# Altium PCB roach2.PcbDoc (part 14 of 39) (continued)
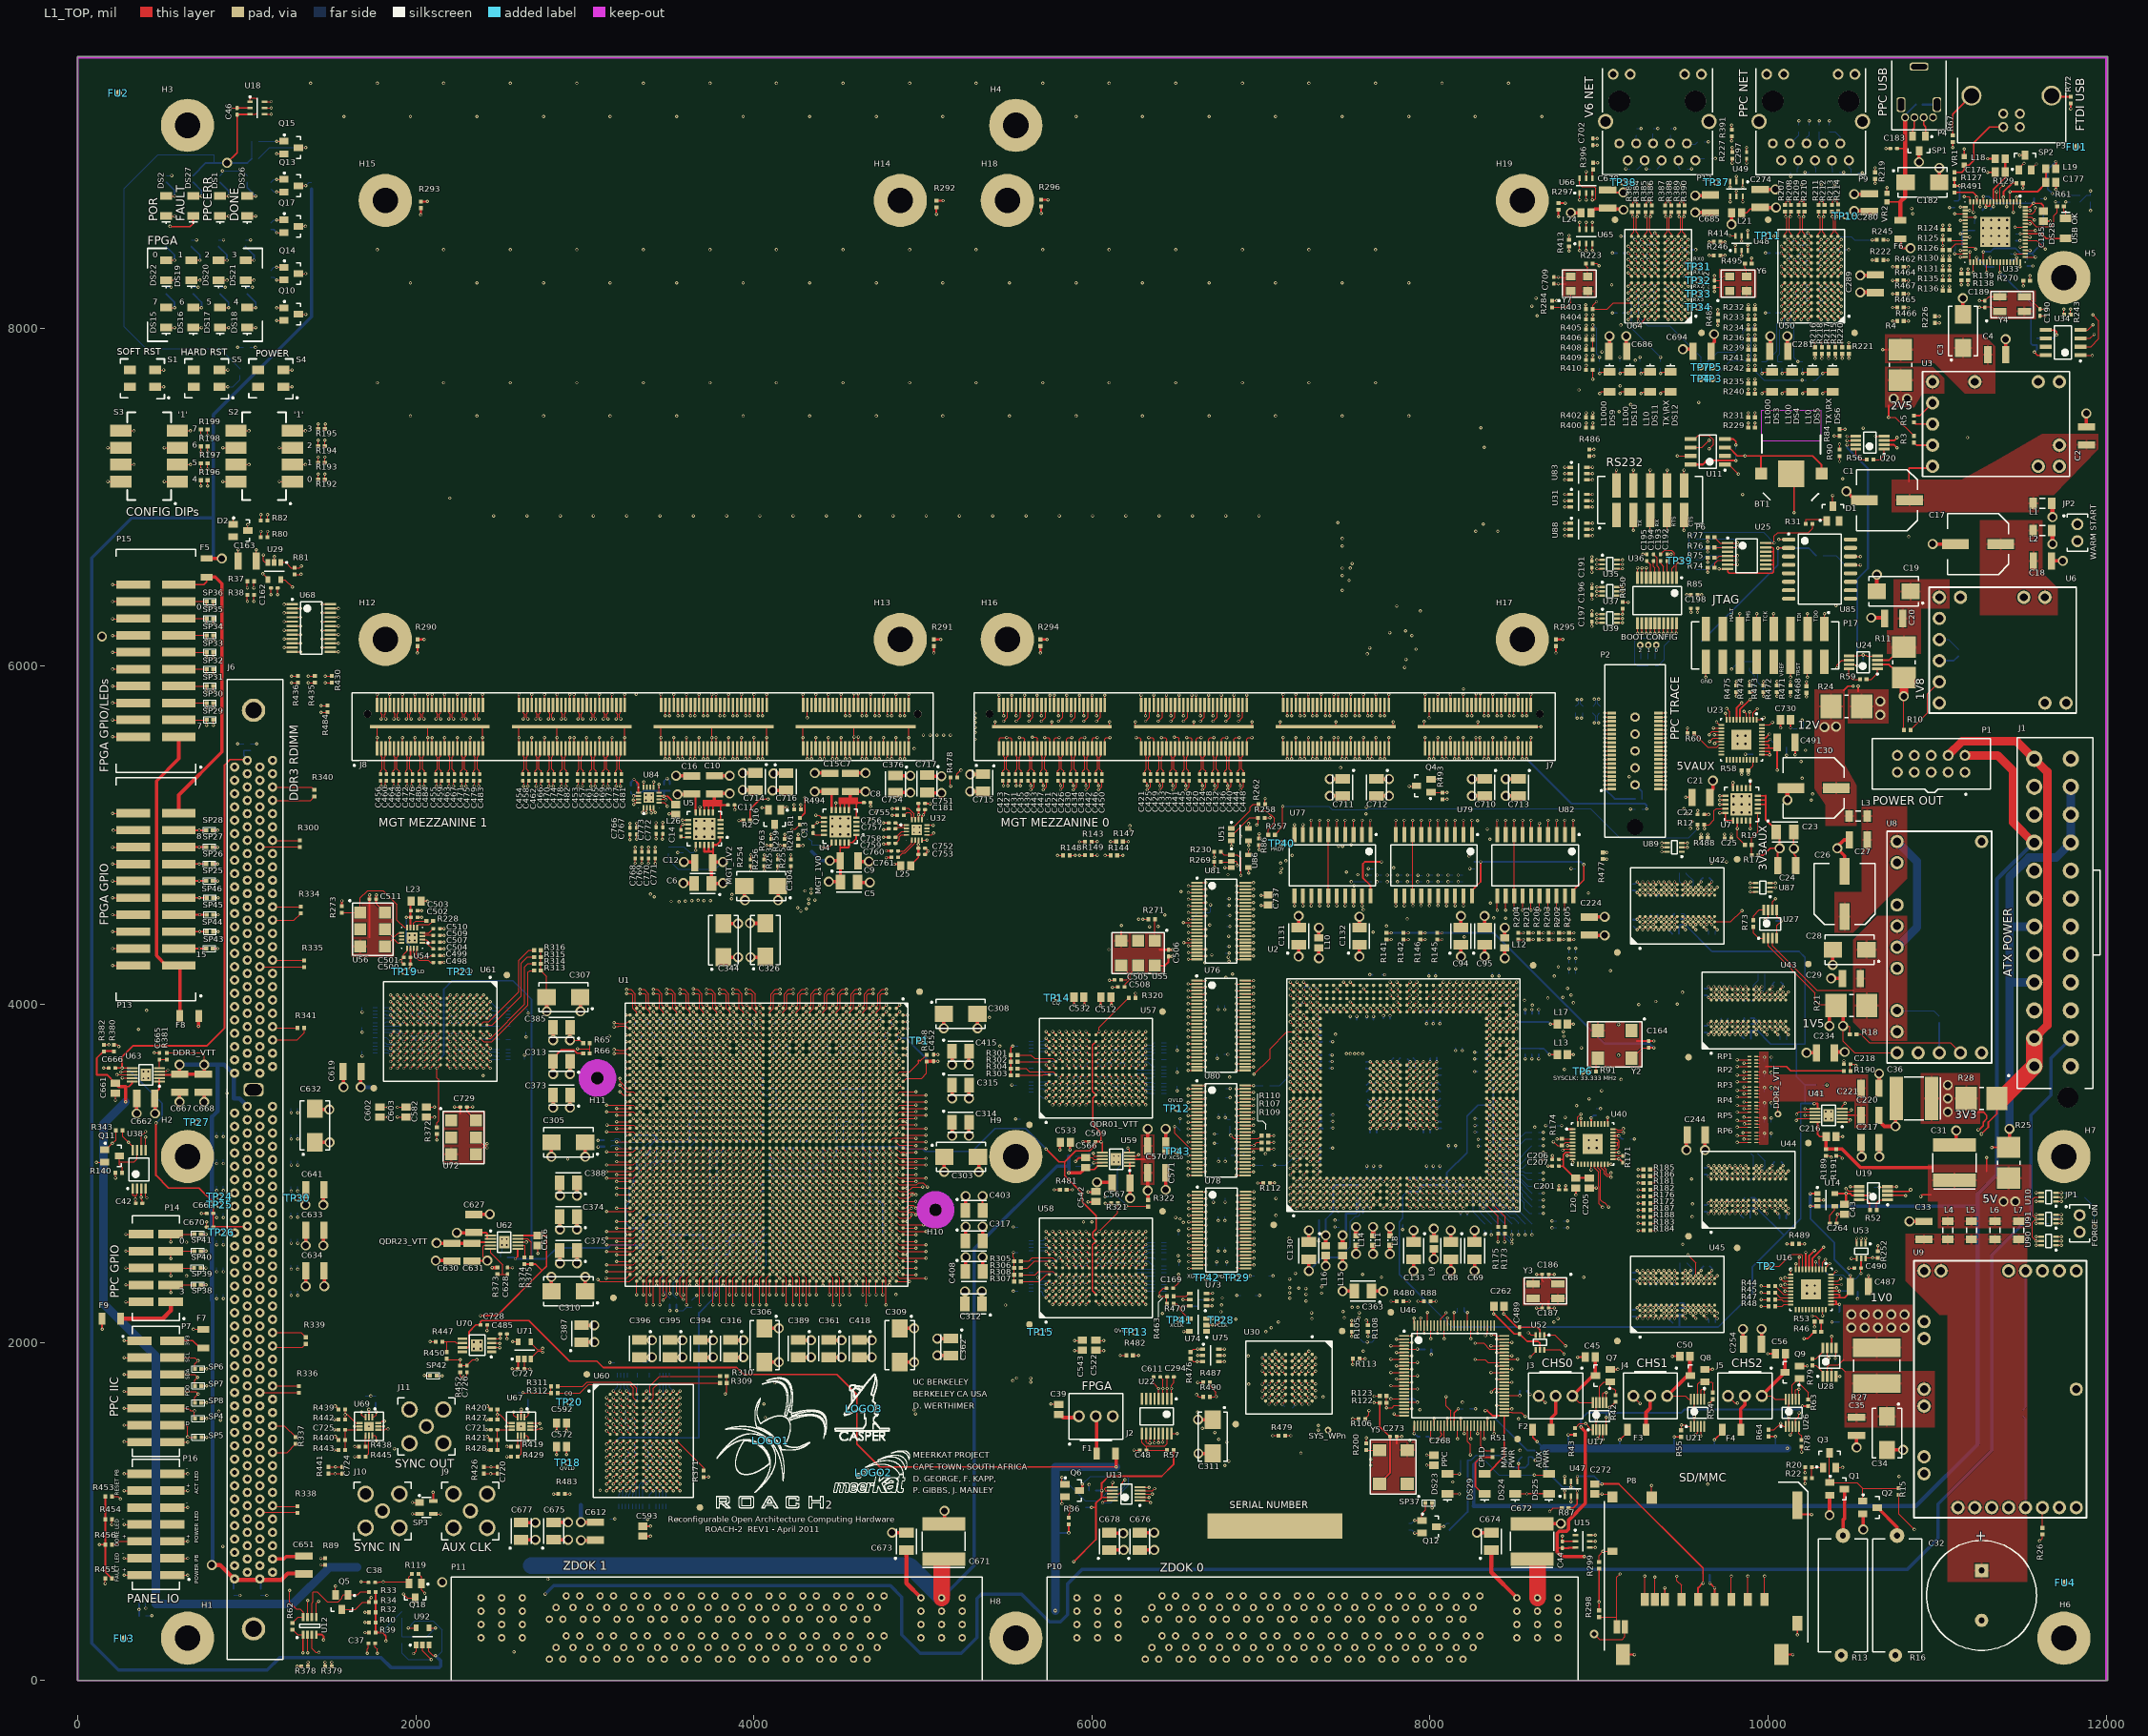
[diagram p0: L1_TOP view]
## Nets (pads, with @x,y where several pads share a name; then routed paths per layer and width w, separated by ;. In a path a pad name is that pad's centre, name@x,y a point inside that pad or via, vN(x,y) a via of type N, cw(c..) or ccw(c..) an arc to the next point about the centre after c; other vN are vias at no path point) (continued)
DDR3.DQ56: J6.108 U1.AY42 | length 3900
  L1_TOP w5: v2(3345.56,2281.93) U1.AY42@3345.56,2360.67
  L9_R w3.8: J6.108@928.19,1072.91 1010.94,1072.91 1036.45,1098.42 1036.45,1157.63 1063.94,1185.11 1083.11,1185.11 1128.99,1230.99 1236.99,1230.99 1314.99,1308.99 1354.99,1308.99 ; v2(3345.56,2281.93) 3308.99,2245.36 3308.99,2158.99 3290.99,2140.99 3167.76,2140.99 3087.09,2060.32 3031.58,2060.32 2865.79,1894.54 2865.79,1804.99 2719.79,1658.99 2656.79,1658.99 2649.29,1666.49 2521.86,1666.49 2414.16,1558.8 2412.18,1558.8 2403.04,1549.66 2403.04,1547.68 2328.68,1473.31 2266.68,1473.31 2212.99,1526.99 2138.99,1526.99 2106.99,1558.99 2012.99,1558.99 1948.99,1494.99 1880.99,1494.99 1852.99,1466.99 1690.99,1466.99 1655.22,1431.22 1651.86,1427.86 ccw(c1654.02,1425.7) 1651.86,1423.54 cw(c1646.34,1418.02) 1651.86,1412.5 cw(c1646.34,1418.02) 1640.82,1412.5 1638.66,1414.66 1614.52,1438.81 ccw(c1609,1433.29) 1603.48,1438.81 ccw(c1609,1433.29) 1603.48,1427.77 1622.1,1409.14 cw(c1616.58,1403.62) 1622.1,1398.1 1579.5,1355.5 1532.99,1308.99 1433.39,1308.99 ; 1354.99,1308.99 ccw(c1354.99,1313.89) 1359.89,1313.89 ; 1354.99,1308.99 ccw(c1354.99,1313.89) 1359.89,1313.89 ; 1359.89,1313.89 1359.89,1342.17 ; 1359.89,1342.17 cw(c1364.79,1342.17) 1364.79,1347.07 ; 1359.89,1342.17 cw(c1364.79,1342.17) 1364.79,1347.07 ; 1364.79,1347.07 cw(c1364.79,1342.17) 1369.69,1342.17 ; 1364.79,1347.07 cw(c1364.79,1342.17) 1369.69,1342.17 ; 1369.69,1275.82 ccw(c1374.59,1275.82) 1374.59,1270.92 ; 1369.69,1275.82 ccw(c1374.59,1275.82) 1374.59,1270.92 ; 1369.69,1275.82 1369.69,1342.17 ; 1374.59,1270.92 ccw(c1374.59,1275.82) 1379.49,1275.82 1379.49,1342.17 ; 1379.49,1342.17 cw(c1384.39,1342.17) 1384.39,1347.07 ; 1379.49,1342.17 cw(c1384.39,1342.17) 1384.39,1347.07 ; 1384.39,1347.07 cw(c1384.39,1342.17) 1389.29,1342.17 ; 1384.39,1347.07 cw(c1384.39,1342.17) 1389.29,1342.17 ; 1389.29,1275.82 ccw(c1394.19,1275.82) 1394.19,1270.92 ; 1389.29,1275.82 ccw(c1394.19,1275.82) 1394.19,1270.92 ; 1389.29,1275.82 1389.29,1342.17 ; 1394.19,1270.92 ccw(c1394.19,1275.82) 1399.09,1275.82 1399.09,1342.17 ; 1399.09,1342.17 cw(c1403.99,1342.17) 1403.99,1347.07 ; 1399.09,1342.17 cw(c1403.99,1342.17) 1403.99,1347.07 ; 1403.99,1347.07 cw(c1403.99,1342.17) 1408.89,1342.17 ; 1403.99,1347.07 cw(c1403.99,1342.17) 1408.89,1342.17 ; 1408.89,1275.82 ccw(c1413.79,1275.82) 1413.79,1270.92 ; 1408.89,1275.82 ccw(c1413.79,1275.82) 1413.79,1270.92 ; 1408.89,1275.82 1408.89,1342.17 ; 1413.79,1270.92 ccw(c1413.79,1275.82) 1418.69,1275.82 1418.69,1342.17 ; 1418.69,1342.17 cw(c1423.59,1342.17) 1423.59,1347.07 ; 1418.69,1342.17 cw(c1423.59,1342.17) 1423.59,1347.07 ; 1423.59,1347.07 cw(c1423.59,1342.17) 1428.49,1342.17 ; 1423.59,1347.07 cw(c1423.59,1342.17) 1428.49,1342.17 ; 1428.49,1313.89 ccw(c1433.39,1313.89) 1433.39,1308.99 ; 1428.49,1313.89 ccw(c1433.39,1313.89) 1433.39,1308.99 ; 1428.49,1313.89 1428.49,1342.17
DDR3.DQ57: J6.109 U1.AP40 | length 3900
  L1_TOP w5: v1(3562.09,2419.72) U1.AP40@3581.78,2439.41
  L9_R w3.8: J6.109@1002.99,1033.54 1028.99,1059.54 1028.99,1078.99 1060.99,1110.99 1098.99,1110.99 1140.99,1152.99 1260.99,1152.99 1324.99,1216.99 1364.99,1216.99 ; v1(3562.09,2419.72) 3562.09,2364.09 3550.58,2352.58 3417.84,2352.58 3362.99,2297.74 3362.99,2274.99 3324.99,2236.99 3324.99,2148.99 3292.99,2116.99 3177.42,2116.99 3096.95,2036.52 3041.43,2036.52 2889.59,1884.68 2889.59,1795.13 2729.65,1635.19 2646.94,1635.19 2639.44,1642.69 2531.72,1642.69 2477.28,1588.25 2476.42,1588.25 2467.28,1579.12 2467.28,1569.77 2420.11,1522.6 2411.62,1522.6 2345.5,1456.48 2257.5,1456.48 2212.99,1500.99 2133.37,1500.99 2084.19,1451.82 2041.79,1451.82 2010.62,1482.99 1896.99,1482.99 1854.99,1440.99 1718.99,1440.99 1702.5,1424.5 ccw(c1708.02,1418.99) 1702.5,1413.47 1721.07,1394.91 cw(c1715.55,1389.39) 1721.07,1383.87 cw(c1715.55,1389.39) 1710.03,1383.87 1685.95,1407.95 1674.84,1419.06 ccw(c1669.32,1413.54) 1663.8,1419.06 ccw(c1669.32,1413.54) 1663.8,1408.02 1669.39,1402.43 cw(c1663.87,1396.91) 1669.39,1391.39 1655.5,1377.5 1560.99,1282.99 1522.99,1282.99 1518.59,1278.59 1518.53,1278.59 1509.39,1269.45 1509.39,1269.39 1456.99,1216.99 1423.79,1216.99 ; 1364.99,1216.99 ccw(c1364.99,1221.89) 1369.89,1221.89 ; 1364.99,1216.99 ccw(c1364.99,1221.89) 1369.89,1221.89 ; 1369.89,1221.89 1369.89,1246.17 ; 1369.89,1246.17 cw(c1374.79,1246.17) 1374.79,1251.07 ; 1369.89,1246.17 cw(c1374.79,1246.17) 1374.79,1251.07 ; 1374.79,1251.07 cw(c1374.79,1246.17) 1379.69,1246.17 ; 1374.79,1251.07 cw(c1374.79,1246.17) 1379.69,1246.17 ; 1379.69,1187.82 ccw(c1384.59,1187.82) 1384.59,1182.92 ; 1379.69,1187.82 ccw(c1384.59,1187.82) 1384.59,1182.92 ; 1379.69,1187.82 1379.69,1246.17 ; 1384.59,1182.92 ccw(c1384.59,1187.82) 1389.49,1187.82 1389.49,1246.17 ; 1389.49,1246.17 cw(c1394.39,1246.17) 1394.39,1251.07 ; 1389.49,1246.17 cw(c1394.39,1246.17) 1394.39,1251.07 ; 1394.39,1251.07 cw(c1394.39,1246.17) 1399.29,1246.17 ; 1394.39,1251.07 cw(c1394.39,1246.17) 1399.29,1246.17 ; 1399.29,1187.82 ccw(c1404.19,1187.82) 1404.19,1182.92 ; 1399.29,1187.82 ccw(c1404.19,1187.82) 1404.19,1182.92 ; 1399.29,1187.82 1399.29,1246.17 ; 1404.19,1182.92 ccw(c1404.19,1187.82) 1409.09,1187.82 1409.09,1246.17 ; 1409.09,1246.17 cw(c1413.99,1246.17) 1413.99,1251.07 ; 1409.09,1246.17 cw(c1413.99,1246.17) 1413.99,1251.07 ; 1413.99,1251.07 cw(c1413.99,1246.17) 1418.89,1246.17 ; 1413.99,1251.07 cw(c1413.99,1246.17) 1418.89,1246.17 ; 1418.89,1221.89 ccw(c1423.79,1221.89) 1423.79,1216.99 ; 1418.89,1221.89 ccw(c1423.79,1221.89) 1423.79,1216.99 ; 1418.89,1221.89 1418.89,1246.17
DDR3.DQ58: J6.114 U1.AR42 | length 3899.8
  L1_TOP w5: v2(3542.41,2287.46) U1.AR42@3542.41,2360.67
  L9_R w3.8: J6.114@928.19,836.69 928.49,836.99 1024.99,836.99 1060.99,800.99 1102.99,800.99 1132.78,830.78 1166.46,830.78 1178.25,818.99 1204.99,818.99 ; 1202.99,818.99 1204.99,818.99 ; 3402.99,1958.99 3404.99,1958.99 ; v2(3542.41,2287.46) 3542.41,2282.41 3478.69,2218.69 3478.69,2008.69 3428.99,1958.99 3404.99,1958.99 ; 1204.99,818.99 1432.99,818.99 1626.99,1012.99 1714.99,1012.99 1774.99,1072.99 1774.99,1180.99 1812.99,1218.99 1894.99,1218.99 ; 1894.99,1218.99 ccw(c1894.99,1223.89) 1899.89,1223.89 ; 1894.99,1218.99 ccw(c1894.99,1223.89) 1899.89,1223.89 ; 1899.89,1223.89 1899.89,1234.43 ; 1899.89,1234.43 cw(c1904.79,1234.43) 1904.79,1239.33 ; 1899.89,1234.43 cw(c1904.79,1234.43) 1904.79,1239.33 ; 1904.79,1239.33 cw(c1904.79,1234.43) 1909.69,1234.43 ; 1904.79,1239.33 cw(c1904.79,1234.43) 1909.69,1234.43 ; 1909.69,1207.56 ccw(c1914.59,1207.56) 1914.59,1202.66 ; 1909.69,1207.56 ccw(c1914.59,1207.56) 1914.59,1202.66 ; 1909.69,1207.56 1909.69,1234.43 ; 1914.59,1202.66 ccw(c1914.59,1207.56) 1919.49,1207.56 1919.49,1234.43 ; 1919.49,1234.43 cw(c1924.39,1234.43) 1924.39,1239.33 ; 1919.49,1234.43 cw(c1924.39,1234.43) 1924.39,1239.33 ; 1924.39,1239.33 cw(c1924.39,1234.43) 1929.29,1234.43 ; 1924.39,1239.33 cw(c1924.39,1234.43) 1929.29,1234.43 ; 1929.29,1207.56 ccw(c1934.19,1207.56) 1934.19,1202.66 ; 1929.29,1207.56 ccw(c1934.19,1207.56) 1934.19,1202.66 ; 1929.29,1207.56 1929.29,1234.43 ; 1934.19,1202.66 ccw(c1934.19,1207.56) 1939.09,1207.56 1939.09,1234.43 ; 1939.09,1234.43 cw(c1943.99,1234.43) 1943.99,1239.33 ; 1939.09,1234.43 cw(c1943.99,1234.43) 1943.99,1239.33 ; 1943.99,1239.33 cw(c1943.99,1234.43) 1948.89,1234.43 ; 1943.99,1239.33 cw(c1943.99,1234.43) 1948.89,1234.43 ; 1948.89,1223.89 ccw(c1953.79,1223.89) 1953.79,1218.99 ; 1948.89,1223.89 ccw(c1953.79,1223.89) 1953.79,1218.99 ; 1948.89,1223.89 1948.89,1234.43 ; 1953.79,1218.99 2201,1218.99 ccw(c2201,1226.8) 2208.81,1226.8 2208.81,1235.39 cw(c2216.61,1235.39) 2216.61,1243.19 cw(c2216.61,1235.39) 2224.42,1235.39 2224.42,1218.99 2224.42,1206.6 ccw(c2232.22,1206.6) 2232.22,1198.79 ccw(c2232.22,1206.6) 2240.03,1206.6 2240.03,1218.99 2240.03,1235.39 cw(c2247.83,1235.39) 2247.83,1243.19 cw(c2247.83,1235.39) 2255.64,1235.39 2255.64,1226.8 ccw(c2263.44,1226.8) 2263.44,1218.99 2379,1218.99 2410.99,1218.99 2432.99,1196.99 2450.99,1196.99 2648.99,1394.99 2773.53,1394.99 2852.99,1474.46 2852.99,1492.99 3318.99,1958.99 3404.99,1958.99
DDR3.DQ59: J6.115 U1.AN41 | length 3900
  L1_TOP w5: v2(3601.46,2222.87) 3601.46,2380.35 U1.AN41@3621.15,2400.04
  L9_R w3.8: J6.115@1002.99,797.32 1005.32,794.99 1038.99,794.99 1042.57,791.41 1091.66,791.41 1122.07,760.99 1176.99,760.99 1204.99,788.99 1442.99,788.99 1548.54,894.54 cw(c1554.06,889.02) 1559.58,894.54 1600.56,853.55 ccw(c1606.08,859.07) 1611.6,853.55 ccw(c1606.08,859.07) 1611.6,864.59 1570.62,905.58 cw(c1576.14,911.1) 1570.62,916.62 1638.99,984.99 1698.99,984.99 1788.99,1074.99 1788.99,1160.99 1818.99,1190.99 1824.99,1190.99 ; v2(3601.46,2222.87) 3601.46,2181.46 3556.99,2136.99 3516.99,2136.99 3486.49,2106.49 3486.49,2002.49 3432.42,1948.42 3334.42,1948.42 2922.99,1536.99 2922.99,1468.99 2896.99,1442.99 2856.99,1442.99 2786.99,1372.99 2666.99,1372.99 2466.99,1172.99 2410.99,1172.99 2392.99,1190.99 1864.19,1190.99 ; 1824.99,1190.99 ccw(c1824.99,1195.89) 1829.89,1195.89 ; 1824.99,1190.99 ccw(c1824.99,1195.89) 1829.89,1195.89 ; 1829.89,1195.89 1829.89,1201.91 ; 1829.89,1201.91 cw(c1834.79,1201.91) 1834.79,1206.81 ; 1829.89,1201.91 cw(c1834.79,1201.91) 1834.79,1206.81 ; 1834.79,1206.81 cw(c1834.79,1201.91) 1839.69,1201.91 ; 1834.79,1206.81 cw(c1834.79,1201.91) 1839.69,1201.91 ; 1839.69,1160.27 ccw(c1844.59,1160.27) 1844.59,1155.37 ; 1839.69,1160.27 ccw(c1844.59,1160.27) 1844.59,1155.37 ; 1839.69,1160.27 1839.69,1201.91 ; 1844.59,1155.37 ccw(c1844.59,1160.27) 1849.49,1160.27 1849.49,1201.91 ; 1849.49,1201.91 cw(c1854.39,1201.91) 1854.39,1206.81 ; 1849.49,1201.91 cw(c1854.39,1201.91) 1854.39,1206.81 ; 1854.39,1206.81 cw(c1854.39,1201.91) 1859.29,1201.91 ; 1854.39,1206.81 cw(c1854.39,1201.91) 1859.29,1201.91 ; 1859.29,1195.89 ccw(c1864.19,1195.89) 1864.19,1190.99 ; 1859.29,1195.89 ccw(c1864.19,1195.89) 1864.19,1190.99 ; 1859.29,1195.89 1859.29,1201.91
DDR3.DQ60: J6.227 U1.AN40 | length 3900
  L1_TOP w5: v1(3601.46,2419.72) U1.AN40@3621.15,2439.41
  L9_R w3.8: J6.227@1152.6,1112.28 1155.89,1108.99 1302.99,1108.99 ; 1337.29,1108.99 1337.29,1087.36 ; 1734.99,1378.99 1738.99,1378.99 ; 2362.33,1439.65 2364.33,1441.65 ; v1(3601.46,2419.72) 3601.46,2367.46 3554.99,2320.99 3432.99,2320.99 3414.99,2302.99 3414.99,2286.99 3374.99,2246.99 3356.99,2246.99 3344.99,2234.99 3344.99,2116.99 3324.99,2096.99 3191.08,2096.99 3091.54,1997.45 3091.54,1986.42 3070.78,1965.66 3036.35,1965.66 2913.39,1842.71 2913.39,1785.28 2739.51,1611.39 2637.08,1611.39 2629.58,1618.89 2541.58,1618.89 2498.48,1575.8 2498.48,1566.19 2431.09,1498.8 2412.18,1498.8 2403.05,1489.66 2403.05,1480.36 2364.33,1441.65 ; 1302.99,1108.99 ccw(c1302.99,1113.89) 1307.89,1113.89 ; 1302.99,1108.99 ccw(c1302.99,1113.89) 1307.89,1113.89 ; 1307.89,1113.89 1307.89,1142.35 ; 1307.89,1142.35 cw(c1312.79,1142.35) 1312.79,1147.25 ; 1307.89,1142.35 cw(c1312.79,1142.35) 1312.79,1147.25 ; 1312.79,1147.25 cw(c1312.79,1142.35) 1317.69,1142.35 ; 1312.79,1147.25 cw(c1312.79,1142.35) 1317.69,1142.35 ; 1317.69,1087.36 ccw(c1322.59,1087.36) 1322.59,1082.46 ; 1317.69,1087.36 ccw(c1322.59,1087.36) 1322.59,1082.46 ; 1317.69,1087.36 1317.69,1142.35 ; 1322.59,1082.46 ccw(c1322.59,1087.36) 1327.49,1087.36 1327.49,1142.35 ; 1327.49,1142.35 cw(c1332.39,1142.35) 1332.39,1147.25 ; 1327.49,1142.35 cw(c1332.39,1142.35) 1332.39,1147.25 ; 1332.39,1147.25 cw(c1332.39,1142.35) 1337.29,1142.35 ; 1332.39,1147.25 cw(c1332.39,1142.35) 1337.29,1142.35 ; 1337.29,1087.36 ccw(c1342.19,1087.36) 1342.19,1082.46 ; 1337.29,1087.36 ccw(c1342.19,1087.36) 1342.19,1082.46 ; 1337.29,1087.36 1337.29,1142.35 ; 1342.19,1082.46 ccw(c1342.19,1087.36) 1347.09,1087.36 1347.09,1142.35 ; 1347.09,1142.35 cw(c1351.99,1142.35) 1351.99,1147.25 ; 1347.09,1142.35 cw(c1351.99,1142.35) 1351.99,1147.25 ; 1351.99,1147.25 cw(c1351.99,1142.35) 1356.89,1142.35 ; 1351.99,1147.25 cw(c1351.99,1142.35) 1356.89,1142.35 ; 1356.89,1087.36 ccw(c1361.79,1087.36) 1361.79,1082.46 ; 1356.89,1087.36 ccw(c1361.79,1087.36) 1361.79,1082.46 ; 1356.89,1087.36 1356.89,1142.35 ; 1361.79,1082.46 ccw(c1361.79,1087.36) 1366.69,1087.36 1366.69,1142.35 ; 1366.69,1142.35 cw(c1371.59,1142.35) 1371.59,1147.25 ; 1366.69,1142.35 cw(c1371.59,1142.35) 1371.59,1147.25 ; 1371.59,1147.25 cw(c1371.59,1142.35) 1376.49,1142.35 ; 1371.59,1147.25 cw(c1371.59,1142.35) 1376.49,1142.35 ; 1376.49,1087.36 ccw(c1381.39,1087.36) 1381.39,1082.46 ; 1376.49,1087.36 ccw(c1381.39,1087.36) 1381.39,1082.46 ; 1376.49,1087.36 1376.49,1142.35 ; 1381.39,1082.46 ccw(c1381.39,1087.36) 1386.29,1087.36 1386.29,1104.09 ; 1386.29,1104.09 cw(c1391.19,1104.09) 1391.19,1108.99 ; 1386.29,1104.09 cw(c1391.19,1104.09) 1391.19,1108.99 ; 1391.19,1108.99 1468.99,1108.99 1536.5,1176.5 1607.92,1247.92 ccw(c1602.4,1253.44) 1607.92,1258.96 1602.31,1264.57 cw(c1607.83,1270.09) 1602.31,1275.61 cw(c1607.83,1270.09) 1613.34,1275.61 1624.48,1264.48 1630,1258.96 ccw(c1635.52,1264.48) 1641.04,1258.96 ccw(c1635.52,1264.48) 1641.04,1270 cw(c1646.56,1275.52) 1641.04,1281.04 1738.99,1378.99 ; 1738.99,1378.99 1826.99,1378.99 1906.99,1458.99 2008.99,1458.99 2030.99,1436.99 2098.99,1436.99 2126.99,1464.99 2212.99,1464.99 2236.33,1441.65 2364.33,1441.65
DDR3.DQ61: J6.228 U1.AN39 | length 3900
  L1_TOP w5: v1(3601.46,2459.09) U1.AN39@3621.15,2478.78
  L9_R w3.8: J6.228@1077.8,1072.91 1212.99,1072.91 ; 2379.16,1422.82 2383.16,1426.82 ; v1(3601.46,2459.09) 3601.46,2441.78 3617.06,2426.18 3617.06,2363.06 3565,2311 3457,2311 3381.21,2235.21 3381.21,2129.21 3328.99,2076.99 3182.11,2076.99 3099.34,1994.22 3099.34,1983.19 3074.01,1957.86 3062.21,1957.86 2937.19,1832.85 2937.19,1775.42 2749.37,1587.59 2687.66,1587.59 2672.46,1572.39 2573.53,1572.39 2558.33,1587.59 2543.93,1587.59 2520.16,1563.82 2520.16,1562.65 2425.11,1467.6 2423.94,1467.6 2383.16,1426.82 ; 1212.99,1072.91 ccw(c1212.99,1077.81) 1217.89,1077.81 ; 1212.99,1072.91 ccw(c1212.99,1077.81) 1217.89,1077.81 ; 1217.89,1077.81 1217.89,1093.06 ; 1217.89,1093.06 cw(c1222.79,1093.06) 1222.79,1097.96 ; 1217.89,1093.06 cw(c1222.79,1093.06) 1222.79,1097.96 ; 1222.79,1097.96 cw(c1222.79,1093.06) 1227.69,1093.06 ; 1222.79,1097.96 cw(c1222.79,1093.06) 1227.69,1093.06 ; 1227.69,1041.05 ccw(c1232.59,1041.05) 1232.59,1036.15 ; 1227.69,1041.05 ccw(c1232.59,1041.05) 1232.59,1036.15 ; 1227.69,1041.05 1227.69,1093.06 ; 1232.59,1036.15 ccw(c1232.59,1041.05) 1237.49,1041.05 1237.49,1093.06 ; 1237.49,1093.06 cw(c1242.39,1093.06) 1242.39,1097.96 ; 1237.49,1093.06 cw(c1242.39,1093.06) 1242.39,1097.96 ; 1242.39,1097.96 cw(c1242.39,1093.06) 1247.29,1093.06 ; 1242.39,1097.96 cw(c1242.39,1093.06) 1247.29,1093.06 ; 1247.29,1041.05 ccw(c1252.19,1041.05) 1252.19,1036.15 ; 1247.29,1041.05 ccw(c1252.19,1041.05) 1252.19,1036.15 ; 1247.29,1041.05 1247.29,1093.06 ; 1252.19,1036.15 ccw(c1252.19,1041.05) 1257.09,1041.05 1257.09,1093.06 ; 1257.09,1093.06 cw(c1261.99,1093.06) 1261.99,1097.96 ; 1257.09,1093.06 cw(c1261.99,1093.06) 1261.99,1097.96 ; 1261.99,1097.96 cw(c1261.99,1093.06) 1266.89,1093.06 ; 1261.99,1097.96 cw(c1261.99,1093.06) 1266.89,1093.06 ; 1266.89,1041.05 ccw(c1271.79,1041.05) 1271.79,1036.15 ; 1266.89,1041.05 ccw(c1271.79,1041.05) 1271.79,1036.15 ; 1266.89,1041.05 1266.89,1093.06 ; 1271.79,1036.15 ccw(c1271.79,1041.05) 1276.69,1041.05 1276.69,1093.06 ; 1276.69,1093.06 cw(c1281.59,1093.06) 1281.59,1097.96 ; 1276.69,1093.06 cw(c1281.59,1093.06) 1281.59,1097.96 ; 1281.59,1097.96 cw(c1281.59,1093.06) 1286.49,1093.06 ; 1281.59,1097.96 cw(c1281.59,1093.06) 1286.49,1093.06 ; 1286.49,1077.81 ccw(c1291.39,1077.81) 1291.39,1072.91 ; 1286.49,1077.81 ccw(c1291.39,1077.81) 1291.39,1072.91 ; 1286.49,1077.81 1286.49,1093.06 ; 1291.39,1072.91 1482.91,1072.91 1756.99,1346.99 2303.33,1346.99 2337.93,1381.58 cw(c2343.44,1376.06) 2348.96,1381.58 2373.62,1356.93 ccw(c2379.14,1362.45) 2384.66,1356.93 ccw(c2379.14,1362.45) 2384.66,1367.96 2360,1392.62 cw(c2365.52,1398.14) 2360,1403.66 2383.16,1426.82
DDR3.DQ62: J6.233 U1.AT41 | length 3899.5
  L1_TOP w5: v2(3463.09,2250.46) 3483.35,2270.71 3483.35,2380.35 U1.AT41@3503.04,2400.04
  L9_R w3.8: J6.233@1152.6,876.06 1155.67,872.99 1408.99,872.99 1583.88,1047.88 1725.82,1047.88 1758.1,1080.16 1758.1,1216.1 1820.59,1278.59 2152.99,1278.59 ; 3402.99,1977.56 3404.99,1977.56 ; v2(3463.09,2250.46) 3463.09,2027.99 3412.67,1977.56 3404.99,1977.56 ; 2152.99,1278.59 ccw(c2152.99,1283.49) 2157.89,1283.49 ; 2152.99,1278.59 ccw(c2152.99,1283.49) 2157.89,1283.49 ; 2157.89,1283.49 2157.89,1288.32 ; 2157.89,1288.32 cw(c2162.79,1288.32) 2162.79,1293.22 ; 2157.89,1288.32 cw(c2162.79,1288.32) 2162.79,1293.22 ; 2162.79,1293.22 cw(c2162.79,1288.32) 2167.69,1288.32 ; 2162.79,1293.22 cw(c2162.79,1288.32) 2167.69,1288.32 ; 2167.69,1263.87 ccw(c2172.59,1263.87) 2172.59,1258.97 ; 2167.69,1263.87 ccw(c2172.59,1263.87) 2172.59,1258.97 ; 2167.69,1263.87 2167.69,1288.32 ; 2172.59,1258.97 ccw(c2172.59,1263.87) 2177.49,1263.87 2177.49,1288.32 ; 2177.49,1288.32 cw(c2182.39,1288.32) 2182.39,1293.22 ; 2177.49,1288.32 cw(c2182.39,1288.32) 2182.39,1293.22 ; 2182.39,1293.22 cw(c2182.39,1288.32) 2187.29,1288.32 ; 2182.39,1293.22 cw(c2182.39,1288.32) 2187.29,1288.32 ; 2187.29,1263.87 ccw(c2192.19,1263.87) 2192.19,1258.97 ; 2187.29,1263.87 ccw(c2192.19,1263.87) 2192.19,1258.97 ; 2187.29,1263.87 2187.29,1288.32 ; 2192.19,1258.97 ccw(c2192.19,1263.87) 2197.09,1263.87 2197.09,1288.32 ; 2197.09,1288.32 cw(c2201.99,1288.32) 2201.99,1293.22 ; 2197.09,1288.32 cw(c2201.99,1288.32) 2201.99,1293.22 ; 2201.99,1293.22 cw(c2201.99,1288.32) 2206.89,1288.32 ; 2201.99,1293.22 cw(c2201.99,1288.32) 2206.89,1288.32 ; 2206.89,1263.87 ccw(c2211.79,1263.87) 2211.79,1258.97 ; 2206.89,1263.87 ccw(c2211.79,1263.87) 2211.79,1258.97 ; 2206.89,1263.87 2206.89,1288.32 ; 2211.79,1258.97 ccw(c2211.79,1263.87) 2216.69,1263.87 2216.69,1288.32 ; 2216.69,1288.32 cw(c2221.59,1288.32) 2221.59,1293.22 ; 2216.69,1288.32 cw(c2221.59,1288.32) 2221.59,1293.22 ; 2221.59,1293.22 cw(c2221.59,1288.32) 2226.49,1288.32 ; 2221.59,1293.22 cw(c2221.59,1288.32) 2226.49,1288.32 ; 2226.49,1263.87 ccw(c2231.39,1263.87) 2231.39,1258.97 ; 2226.49,1263.87 ccw(c2231.39,1263.87) 2231.39,1258.97 ; 2226.49,1263.87 2226.49,1288.32 ; 2231.39,1258.97 ccw(c2231.39,1263.87) 2236.29,1263.87 2236.29,1288.32 ; 2236.29,1288.32 cw(c2241.19,1288.32) 2241.19,1293.22 ; 2236.29,1288.32 cw(c2241.19,1288.32) 2241.19,1293.22 ; 2241.19,1293.22 cw(c2241.19,1288.32) 2246.09,1288.32 ; 2241.19,1293.22 cw(c2241.19,1288.32) 2246.09,1288.32 ; 2246.09,1263.87 ccw(c2250.99,1263.87) 2250.99,1258.97 ; 2246.09,1263.87 ccw(c2250.99,1263.87) 2250.99,1258.97 ; 2246.09,1263.87 2246.09,1288.32 ; 2250.99,1258.97 ccw(c2250.99,1263.87) 2255.89,1263.87 2255.89,1288.32 ; 2255.89,1288.32 cw(c2260.79,1288.32) 2260.79,1293.22 ; 2255.89,1288.32 cw(c2260.79,1288.32) 2260.79,1293.22 ; 2260.79,1293.22 cw(c2260.79,1288.32) 2265.69,1288.32 ; 2260.79,1293.22 cw(c2260.79,1288.32) 2265.69,1288.32 ; 2265.69,1263.87 ccw(c2270.59,1263.87) 2270.59,1258.97 ; 2265.69,1263.87 ccw(c2270.59,1263.87) 2270.59,1258.97 ; 2265.69,1263.87 2265.69,1288.32 ; 2270.59,1258.97 ccw(c2270.59,1263.87) 2275.49,1263.87 2275.49,1288.32 ; 2275.49,1288.32 cw(c2280.39,1288.32) 2280.39,1293.22 ; 2275.49,1288.32 cw(c2280.39,1288.32) 2280.39,1293.22 ; 2280.39,1293.22 cw(c2280.39,1288.32) 2285.29,1288.32 ; 2280.39,1293.22 cw(c2280.39,1288.32) 2285.29,1288.32 ; 2285.29,1263.87 ccw(c2290.19,1263.87) 2290.19,1258.97 ; 2285.29,1263.87 ccw(c2290.19,1263.87) 2290.19,1258.97 ; 2285.29,1263.87 2285.29,1288.32 ; 2290.19,1258.97 ccw(c2290.19,1263.87) 2295.09,1263.87 2295.09,1273.69 ; 2295.09,1273.69 cw(c2299.99,1273.69) 2299.99,1278.59 ; 2295.09,1273.69 cw(c2299.99,1273.69) 2299.99,1278.59 ; 2299.99,1278.59 2442.59,1278.59 2496.99,1332.99 2496.99,1392.99 2576.99,1472.99 2778.99,1472.99 3163.28,1857.28 3163.28,1875.28 3265.56,1977.56 3404.99,1977.56
DDR3.DQ63: J6.234 U1.AT42 | length 3900
  L1_TOP w5: v2@3503.04,2281.93 3503.04,2288.46 U1.AT42@3503.04,2360.67
  L9_R w3.8: J6.234@1077.8,836.69 1108.69,836.69 1120.99,848.99 1132.35,848.99 1138.74,842.6 1204.6,842.6 1210.99,848.99 ; 1206.99,848.99 1210.99,848.99 ; 1540.74,956.61 ccw(c1546.26,962.13) 1551.78,956.61 ccw(c1546.26,962.13) 1551.78,967.65 1551.71,967.71 1542.65,976.78 cw(c1548.17,982.3) 1542.65,987.82 cw(c1548.17,982.3) 1553.69,987.82 1562.75,978.75 1566.72,974.78 ccw(c1572.24,980.3) 1577.76,974.78 ccw(c1572.24,980.3) 1577.76,985.82 cw(c1581.72,989.79) 1577.76,993.76 1579.31,995.31 1616.99,1032.99 1721.96,1032.99 1765.9,1076.93 1765.9,1201.9 1814.99,1250.99 2016.99,1250.99 ; 1544.64,952.71 ccw(c1540.67,948.74) 1536.71,952.71 1490.5,906.5 1432.99,848.99 1210.99,848.99 ; v2@3503.04,2288.46 3503.04,2259.04 3470.89,2226.89 3470.89,2018.89 3420.99,1968.99 3288.99,1968.99 2770.99,1450.99 2570.99,1450.99 2504.79,1384.79 2504.79,1300.73 2451.45,1247.39 2438.53,1247.39 2434.93,1250.99 2114.99,1250.99 ; 2016.99,1250.99 ccw(c2016.99,1255.89) 2021.89,1255.89 ; 2016.99,1250.99 ccw(c2016.99,1255.89) 2021.89,1255.89 ; 2021.89,1255.89 2021.89,1264.99 ; 2021.89,1264.99 cw(c2026.79,1264.99) 2026.79,1269.89 ; 2021.89,1264.99 cw(c2026.79,1264.99) 2026.79,1269.89 ; 2026.79,1269.89 cw(c2026.79,1264.99) 2031.69,1264.99 ; 2026.79,1269.89 cw(c2026.79,1264.99) 2031.69,1264.99 ; 2031.69,1232.6 ccw(c2036.59,1232.6) 2036.59,1227.7 ; 2031.69,1232.6 ccw(c2036.59,1232.6) 2036.59,1227.7 ; 2031.69,1232.6 2031.69,1264.99 ; 2036.59,1227.7 ccw(c2036.59,1232.6) 2041.49,1232.6 2041.49,1264.99 ; 2041.49,1264.99 cw(c2046.39,1264.99) 2046.39,1269.89 ; 2041.49,1264.99 cw(c2046.39,1264.99) 2046.39,1269.89 ; 2046.39,1269.89 cw(c2046.39,1264.99) 2051.29,1264.99 ; 2046.39,1269.89 cw(c2046.39,1264.99) 2051.29,1264.99 ; 2051.29,1232.6 ccw(c2056.19,1232.6) 2056.19,1227.7 ; 2051.29,1232.6 ccw(c2056.19,1232.6) 2056.19,1227.7 ; 2051.29,1232.6 2051.29,1264.99 ; 2056.19,1227.7 ccw(c2056.19,1232.6) 2061.09,1232.6 2061.09,1264.99 ; 2061.09,1264.99 cw(c2065.99,1264.99) 2065.99,1269.89 ; 2061.09,1264.99 cw(c2065.99,1264.99) 2065.99,1269.89 ; 2065.99,1269.89 cw(c2065.99,1264.99) 2070.89,1264.99 ; 2065.99,1269.89 cw(c2065.99,1264.99) 2070.89,1264.99 ; 2070.89,1232.6 ccw(c2075.79,1232.6) 2075.79,1227.7 ; 2070.89,1232.6 ccw(c2075.79,1232.6) 2075.79,1227.7 ; 2070.89,1232.6 2070.89,1264.99 ; 2075.79,1227.7 ccw(c2075.79,1232.6) 2080.69,1232.6 2080.69,1264.99 ; 2080.69,1264.99 cw(c2085.59,1264.99) 2085.59,1269.89 ; 2080.69,1264.99 cw(c2085.59,1264.99) 2085.59,1269.89 ; 2085.59,1269.89 cw(c2085.59,1264.99) 2090.49,1264.99 ; 2085.59,1269.89 cw(c2085.59,1264.99) 2090.49,1264.99 ; 2090.49,1232.6 ccw(c2095.39,1232.6) 2095.39,1227.7 ; 2090.49,1232.6 ccw(c2095.39,1232.6) 2095.39,1227.7 ; 2090.49,1232.6 2090.49,1264.99 ; 2095.39,1227.7 ccw(c2095.39,1232.6) 2100.29,1232.6 2100.29,1264.99 ; 2100.29,1264.99 cw(c2105.19,1264.99) 2105.19,1269.89 ; 2100.29,1264.99 cw(c2105.19,1264.99) 2105.19,1269.89 ; 2105.19,1269.89 cw(c2105.19,1264.99) 2110.09,1264.99 ; 2105.19,1269.89 cw(c2105.19,1264.99) 2110.09,1264.99 ; 2110.09,1255.89 ccw(c2114.99,1255.89) 2114.99,1250.99 ; 2110.09,1255.89 ccw(c2114.99,1255.89) 2114.99,1250.99 ; 2110.09,1255.89 2110.09,1264.99
  other v2: 3503.04,2289.46
DDR3.DQ64: J6.39 U1.AL29 | length 3600
  L1_TOP w5: v1(3680.2,2852.79) U1.AL29@3699.89,2872.48
  L9_R w3.8: J6.39@1002.99,3946.93 1095.05,3946.93 1134.99,3906.99 1174.99,3906.99 1192.99,3888.99 1192.99,3868.99 1442.99,3618.99 1442.99,3520.99 1750.91,3213.08 1756.43,3207.56 1761.95,3202.04 cw(c1756.43,3196.52) 1761.95,3191 1747.11,3176.16 ccw(c1752.62,3170.64) 1747.11,3165.12 ccw(c1752.62,3170.64) 1758.14,3165.12 1772.98,3179.96 cw(c1778.5,3174.44) 1784.02,3179.96 cw(c1778.5,3174.44) 1784.02,3168.92 1769.18,3154.08 ccw(c1774.7,3148.56) 1769.18,3143.04 ccw(c1774.7,3148.56) 1780.22,3143.04 1795.06,3157.88 cw(c1800.58,3152.36) 1806.1,3157.88 cw(c1800.58,3152.36) 1806.1,3146.84 1791.26,3132 ccw(c1796.78,3126.48) 1791.26,3120.97 ccw(c1796.78,3126.48) 1802.3,3120.97 1822.66,3141.33 cw(c1828.18,3135.81) 1833.7,3141.33 cw(c1828.18,3135.81) 1833.7,3130.29 1813.34,3109.93 ccw(c1818.86,3104.41) 1813.34,3098.89 ccw(c1818.86,3104.41) 1824.38,3098.89 1839.22,3113.73 cw(c1844.74,3108.21) 1850.26,3113.73 1917.49,3046.49 2104.99,2858.99 2494.99,2858.99 2540.99,2812.99 3076.99,2812.99 3088.99,2824.99 3204.99,2824.99 3212.47,2817.51 3249.6,2817.51 3261.11,2829.02 3423.02,2829.02 3428.38,2834.38 3428.38,2859.26 3437.52,2868.39 3494.2,2868.39 3507.12,2881.32 3507.12,2898.63 3516.26,2907.76 3568.56,2907.76 3577.69,2898.63 3577.69,2884.29 3593.59,2868.39 3664.6,2868.39 v1(3680.2,2852.79)
DDR3.DQ65: J6.40 U1.AN30 | length 3600
  L1_TOP w5: v1(3601.46,2813.42) U1.AN30@3621.15,2833.11
  L9_R w3.8: J6.40@928.19,3907.56 958.99,3876.75 958.99,3852.99 980.99,3830.99 1020.99,3830.99 1056.99,3866.99 1092.99,3866.99 1130.99,3828.99 1174.99,3828.99 1284.85,3719.13 ccw(c1290.37,3724.65) 1295.89,3719.13 1306.84,3730.08 cw(c1312.36,3724.57) 1317.88,3730.08 cw(c1312.36,3724.57) 1317.88,3719.05 1306.93,3708.09 ccw(c1312.45,3702.57) 1306.93,3697.05 ccw(c1312.45,3702.57) 1317.97,3697.05 1328.92,3708.01 cw(c1334.44,3702.49) 1339.96,3708.01 cw(c1334.44,3702.49) 1339.96,3696.97 1329.01,3686.02 ccw(c1334.53,3680.5) 1329.01,3674.98 ccw(c1334.53,3680.5) 1340.05,3674.98 1351,3685.93 cw(c1356.52,3680.41) 1362.04,3685.93 cw(c1356.52,3680.41) 1362.04,3674.89 1351.08,3663.94 ccw(c1356.6,3658.42) 1351.08,3652.9 1398.99,3604.99 1402.79,3601.19 1402.79,3383.19 1458.99,3326.99 1568.99,3326.99 2064.98,2831 2452.01,2831 2508.02,2774.99 3094.99,2774.99 3110.99,2790.99 3136.99,2790.99 3152.99,2774.99 3198.99,2774.99 3213.65,2789.65 3461.65,2789.65 3467.75,2795.75 3467.75,2819.89 3476.89,2829.02 3494.2,2829.02 3507.12,2841.95 3507.12,2859.26 3516.26,2868.39 3568.56,2868.39 3577.69,2859.26 3577.69,2841.95 3601.46,2818.18 v1(3601.46,2813.42)